# Altium PCB COEXPIX PCB.PcbDoc (part 1 of 2) (continued)
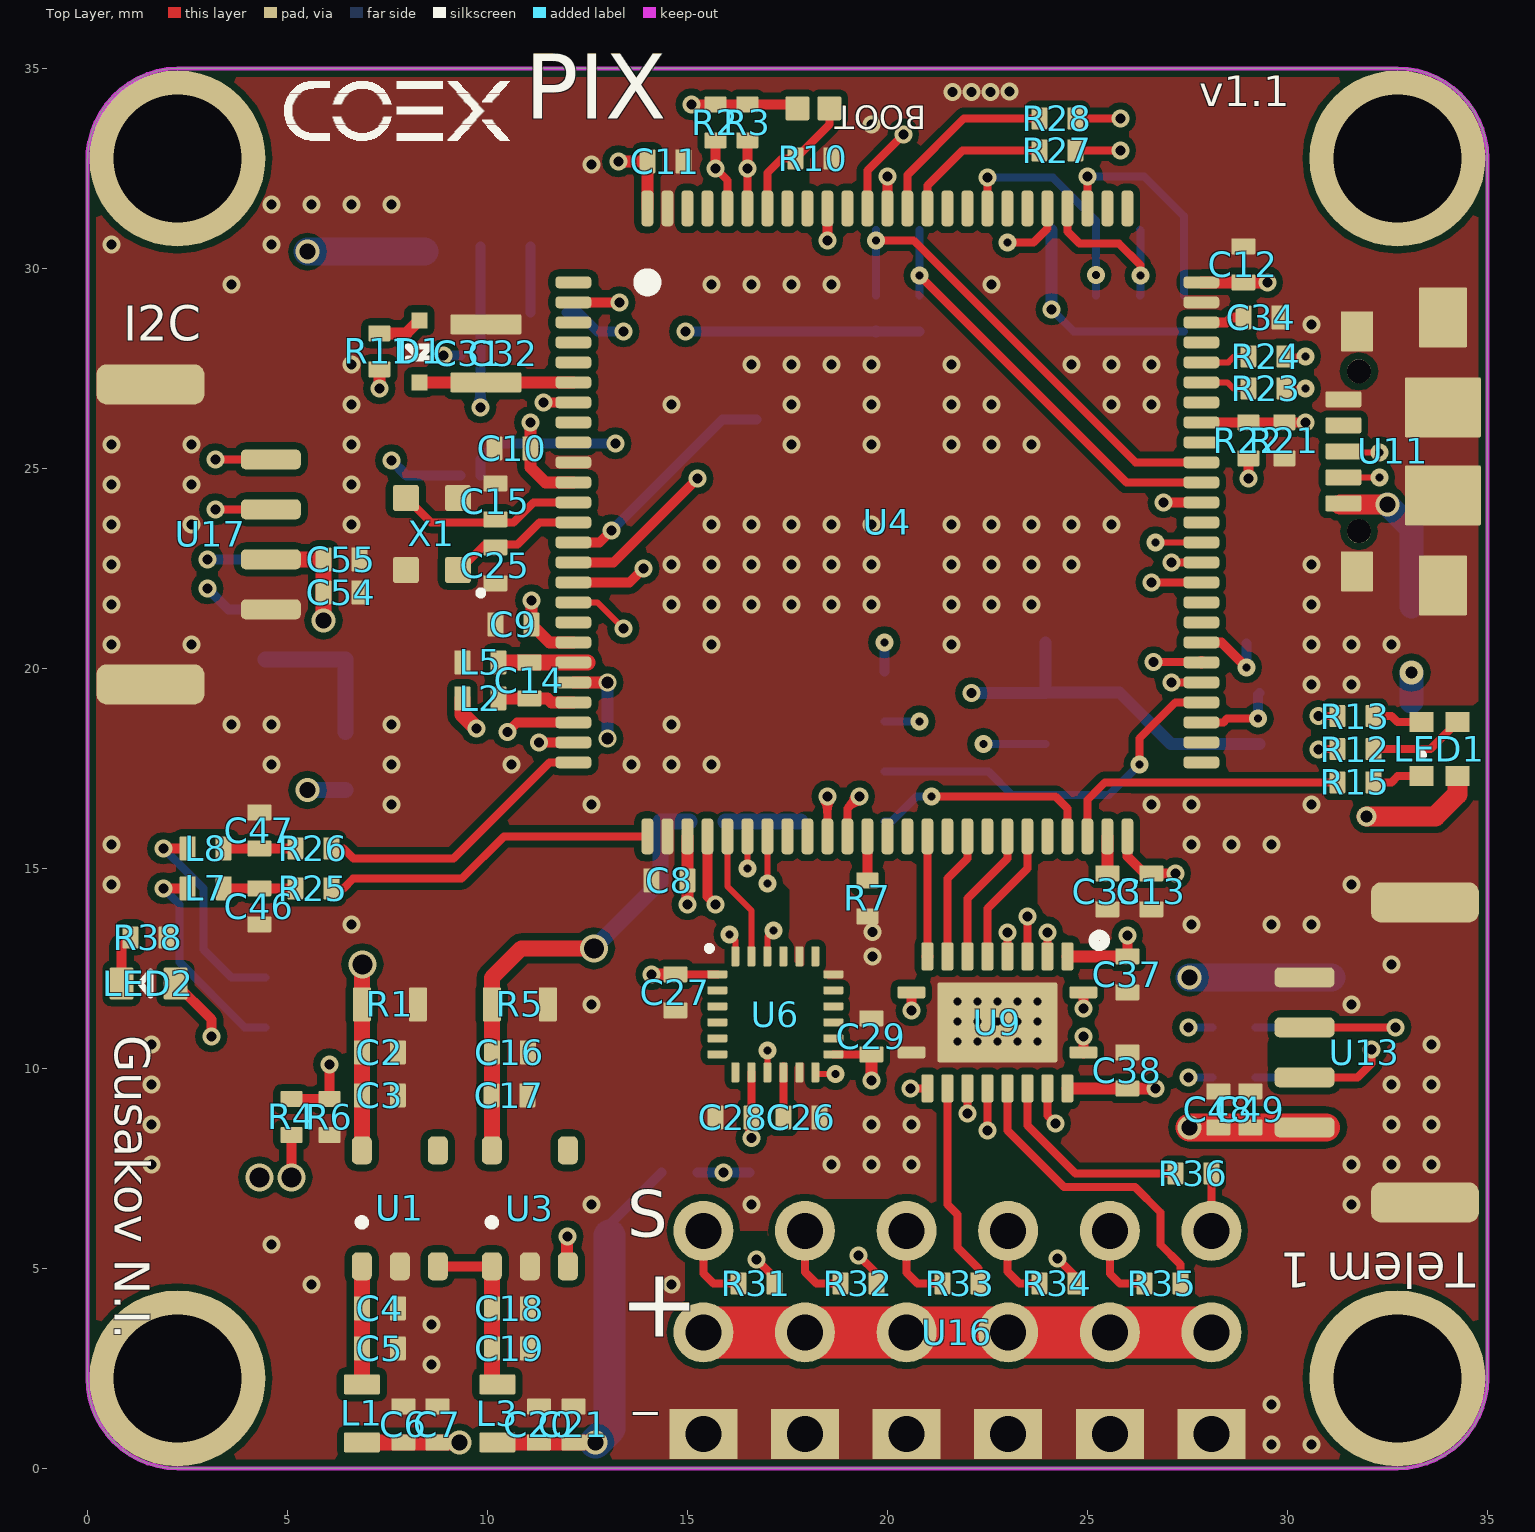
[diagram p0: Top Layer view]
## Design rules (kind name [scope] priority, off if disabled: settings)
Clearance [All] p1: gap=0.17 ignorepadtopadclearanceinfootprint=FALSE except(0: Arc-Hole Track-Hole SMDPad-Hole THPad-Hole Via-Hole Fill-Hole Poly-Hole Region-Hole Text-Hole; 0.09: Arc-Arc Arc-Track Arc-SMDPad Arc-THPad Track-Track Track-SMDPad Track-THPad SMDPad-SMDPad SMDPad-THPad THPad-THPad; 0.13: Arc-Via Track-Via SMDPad-Via THPad-Via Via-Via; 0.2: Arc-Text Track-Text SMDPad-Text THPad-Text Via-Text Fill-Text Poly-Text Region-Text Text-Text)
DiffPairsRouting [All] p1: maxlimit=0.254 minlimit=0.1 mostfreqgap=0.1 toplayer_minwidth=0.09 toplayer_maxwidth=0.15 toplayer_prefwidth=0.1 midlayer1_minwidth=0.09 midlayer1_maxwidth=0.15 midlayer1_prefwidth=0.1 midlayer2_minwidth=0.09 midlayer2_maxwidth=0.15 midlayer2_prefwidth=0.1 bottomlayer_minwidth=0.09 bottomlayer_maxwidth=0.15 bottomlayer_prefwidth=0.1 maxuncoupledlength=12.7
PlaneClearance [All] p1: clearance=0.17
PlaneConnect [All] p1: planeconnectstyle=Direct reliefexpansion=0.508 reliefentries=4 reliefconductorwidth=0.254 reliefairgap=0.254
PolygonConnect [All] p1: connectstyle=Direct reliefconductorwidth=0.254 reliefentries=4 polygonreliefangle="90 Angle" airgapwidth=0.254
RoutingVias [All] p1: holewidth=0.711 width=1.27 viastyle="Through Hole" minholewidth=0.711 minwidth=1.27 maxholewidth=0.711 maxwidth=1.27
SolderMaskExpansion [All] p1: expansion=0.08
UnRoutedNet [All] p1: checkbadconnections=TRUE
Width [All] p1: maxlimit=2 minlimit=0.09 preferedwidth=0.2 minimp=50.000000 maximp=50.000000 favimp=50.000000
26 further rules are at their usual default settings.

## Classes and differential pairs
component class "COEXPIX connectors schematics": C39 C40 C41 C42 C43 C44 C45 C46 C47 C48 C49 C50 C51 C52 C53 C54 C55 D2 D3 L6 L7 L8 L9 R21 R22 R23 R24 R25 R26 R27 R28 R29 R30 R31 R32 R33 R34 R35 R36 R37 U11 U12 U13 U14 U15 U16 U17 U18
component class "COEXPIX schematics": C1 C2 C3 C4 C5 C6 C7 C8 C9 C10 C11 C12 C13 C14 C15 C16 C17 C18 C19 C20 C21 C22 C23 C24 C25 C26 C27 C28 C29 C30 C31 C32 C33 C34 C35 C36 C37 C38 C56 C? D1 L1 L2 L3 L4 L5 LED1 LED2 R1 R2 R3 R4 R5 R6 R7 R8 R9 R10 R11 R12 R13 R14 R15 R16 R17 R18 R19 R20 R38 U1 U2 U3 U4 U5 U6 U7 U8 U9 U10 U? X1

## Components (designator, comment, footprint, x,y, rotation, side; value= is the part's Value field where it differs from the comment)
C1 "100nf" "Capasitor 0402"#1 22.7,19.83 r270 bottom
C2 "10uf" "Capasitor 0402"#2 7.312,10.4 r0 top
C3 "100nf" "Capasitor 0402"#2 7.31,9.324 r0 top
C4 "100nf" "Capasitor 0402"#2 7.312,4 r0 top
C5 "10uf" "Capasitor 0402"#2 7.31,3 r0 top
C6 "100nf" "Capasitor 0402"#2 7.9,1.1 r90 top
C7 "10uf" "Capasitor 0402"#2 8.75,1.1 r90 top
C8 "100nf" "Capasitor 0402"#2 14.55,14.7 r0 top
C9 "100nf" "Capasitor 0402"#2 10.65,21.1 r0 top
C10 "100nf" "Capasitor 0402"#2 10.625,25.5 r0 top
C11 "100nf" "Capasitor 0402"#2 14.45,32.675 r180 top
C12 "100nf" "Capasitor 0402"#2 28.9,30.1 r270 top
C13 "100nf" "Capasitor 0402"#2 26.6,14.425 r90 top
C14 "100nf" "Capasitor 0402"#2 11.05,19.7 r90 top
C15 "12pf" "Capasitor 0402"#2 10.2,24.175 r270 top
C16 "10uf" "Capasitor 0402"#2 10.562,10.4 r0 top
C17 "100nf" "Capasitor 0402"#2 10.55,9.324 r0 top
C18 "100nf" "Capasitor 0402"#2 10.562,4 r0 top
C19 "10uf" "Capasitor 0402"#2 10.562,3 r0 top
C20 "100nf" "Capasitor 0402"#2 11.29,1.1 r90 top
C21 "10uf" "Capasitor 0402"#2 12.153,1.1 r90 top
C22 "100nf" "Capasitor 0402"#1 13.875,15.225 r0 bottom
C23 "10uf" "Capasitor 0402"#1 13.875,16.175 r0 bottom
C24 "100nf" "Capasitor 0402"#1 16.75,16.625 r270 bottom
C25 "12pf" "Capasitor 0402"#2 10.2,22.575 r270 top
C26 "100nf" "Capasitor 0402"#2 17.85,8.775 r180 top
C27 "100nf" "Capasitor 0402"#2 14.7,11.9 r90 top
C28 "100nf" "Capasitor 0402"#2 16.152,8.775 r0 top
C29 "10nf" "Capasitor 0402"#2 19.6,10.8 r270 top
C30 "100nf" "Capasitor 0402"#1 15.585,27.975 r90 bottom
C31 "47uf" "Capasitor 0603" 9.525,27.875 r90 top
C32 "47uf" "Capasitor 0603" 10.4,27.875 r90 top
C33 "10uf" "Capasitor 0402"#2 25.5,14.425 r270 top
C34 "10uf" "Capasitor 0402"#2 29.35,28.775 r0 top
C35 "100nf" "Capasitor 0402"#1 8.425,25.275 r270 bottom
C36 "100nf" "Capasitor 0402"#1 23.659,29.5 r0 bottom
C37 "100nf" "Capasitor 0402"#2 26,12.35 r270 top
C38 "100nf" "Capasitor 0402"#2 26,9.95 r90 top
C39 "10uf" "Capasitor 0402"#1 33.55,22.8 r0 bottom
C40 "47uf" "Capasitor 0603" 13.775,10.199 r180 bottom
C41 "47uf" "Capasitor 0603" 13.775,9.324 r180 bottom
C42 "47uf" "Capasitor 0603" 7.163,8.325 r270 bottom
C43 "47uf" "Capasitor 0603" 6.263,8.325 r270 bottom
C44 "47uf" "Capasitor 0603" 7.163,6.1 r90 bottom
C45 "47uf" "Capasitor 0603" 6.263,6.1 r90 bottom
C46 "100nf" "Capasitor 0402"#2 4.3,14.05 r270 top
C47 "100nf" "Capasitor 0402"#2 4.3,15.95 r90 top
C48 "10uf" "Capasitor 0402"#2 28.275,8.975 r270 top
C49 "100nf" "Capasitor 0402"#2 29.075,8.976 r270 top
C50 "10uf" "Capasitor 0402"#1 6.9,19.4 r180 bottom
C51 "100nf" "Capasitor 0402"#1 6.9,20.225 r180 bottom
C52 "10uf" "Capasitor 0402"#1 28.2,12.725 r270 bottom
C53 "100nf" "Capasitor 0402"#1 29.05,12.725 r270 bottom
C54 "10uf" "Capasitor 0402"#2 6.35,21.9 r0 top
C55 "100nf" "Capasitor 0402"#2 6.35,22.725 r0 top
C56 "100nf" "Capasitor 0402"#1 13.456,18.95 r180 bottom
D1 "200ma" SOD-523F 8.3,27.925 r180 top
D2 "2A" SOD-323F 33.1,20.475 r0 bottom
D3 "2A" SOD-323F 13.05,7.025 r0 bottom
L1 "BLM18HE152SN1D" "Ferrite bead 0603" 6.862,1.375 r270 top value="1.5 kOhm @100MHz"
L2 "BLM15HD182SN1D" "Ferrite bead 0402"#1 9.825,19.25 r180 top value="1.8 kOhm @100MHz"
L3 "BLM18HE152SN1D" "Ferrite bead 0603" 10.25,1.375 r90 top value="1.5 kOhm @100MHz"
L4 "BLM15HD182SN1D" "Ferrite bead 0402"#2 15.5,16.175 r180 bottom value="1.8 kOhm @100MHz"
L5 "BLM15HD182SN1D" "Ferrite bead 0402"#1 9.825,20.15 r180 top value="1.8 kOhm @100MHz"
L6 "SLW4030S100MST" "Inductor 4030" 10,8.699 r90 bottom value=10uH
L7 "BLM15HD182SN1D" "Ferrite bead 0402"#1 2.958,14.5 r180 top value="1.8 kOhm @100MHz"
L8 "BLM15HD182SN1D" "Ferrite bead 0402"#1 2.958,15.5 r180 top value="1.8 kOhm @100MHz"
L9 "BLM15HD182SN1D" "Ferrite bead 0402"#2 6.45,17.683 r90 bottom value="1.8 kOhm @100MHz"
LED1 "19-237A/BHR6GHC-A01/2T" "Everlight RGB LED" 33.8,17.983 r270 top
LED2 "19-217/BHC-ZL1M2RY/3T" "Led 0603" 1.528,12.123 r0 top
R1 "220" "Resistor 0603" 7.563,11.6 r0 top
R2 "2.2k" "Resistor 0402"#1 15.702,33.65 r90 top
R3 "2.2k" "Resistor 0402"#1 16.5,33.65 r90 top
R4 "220" "Resistor 0402"#1 5.1,8.785 r90 top
R5 "220" "Resistor 0603" 10.812,11.6 r0 top
R6 "220" "Resistor 0402"#1 6.05,8.785 r270 top
R7 "10k" "Resistor 0402"#1 19.5,14.25 r90 top
R8 "10k" "Resistor 0402"#2 14.8,7.4 r0 bottom
R9 "10k" "Resistor 0402"#2 17,7.4 r0 bottom
R10 "10k" "Resistor 0402"#1 18.15,32.75 r0 top
R11 "1k" "Resistor 0402"#1 7.3,27.925 r270 top
R12 "100" "Resistor 0402"#1 31.7,17.983 r180 top
R13 "100" "Resistor 0402"#1 31.7,18.808 r180 top
R14 "1.8k" "Resistor 0402"#2 9.375,28.9 r0 bottom
R15 "100" "Resistor 0402"#1 31.7,17.15 r180 top
R16 "100k" "Resistor 0402"#2 20.809,28.875 r90 bottom
R17 "100k" "Resistor 0402"#2 19.71,28.875 r90 bottom
R18 "100k" "Resistor 0402"#2 27.41,28.875 r90 bottom
R19 "100k" "Resistor 0402"#2 26.31,28.875 r90 bottom
R20 "100k" "Resistor 0402"#2 25.21,28.875 r90 bottom
R21 "470" "Resistor 0402"#1 29.925,25.7 r270 top
R22 "10k" "Resistor 0402"#1 29.025,25.7 r90 top
R23 "22" "Resistor 0402"#1 29.475,27 r180 top
R24 "22" "Resistor 0402"#1 29.475,27.8 r180 top
R25 "1k" "Resistor 0402"#1 5.65,14.5 r180 top
R26 "1k" "Resistor 0402"#1 5.65,15.5 r180 top
R27 "220" "Resistor 0402"#1 24.25,32.95 r0 top
R28 "220" "Resistor 0402"#1 24.25,33.751 r0 top
R29 "220" "Resistor 0402"#2 28.575,11.026 r180 bottom
R30 "220" "Resistor 0402"#2 28.575,9.776 r180 bottom
R31 "220" "Resistor 0402"#1 16.725,4.625 r180 top
R32 "220" "Resistor 0402"#1 19.275,4.625 r180 top
R33 "220" "Resistor 0402"#1 21.825,4.625 r180 top
R34 "220" "Resistor 0402"#1 24.25,4.625 r180 top
R35 "220" "Resistor 0402"#1 26.875,4.625 r180 top
R36 "220" "Resistor 0402"#1 27.65,7.375 r0 top
R37 "10k" "Resistor 0402"#2 11.525,28.9 r180 bottom
R38 "220" "Resistor 0402"#1 1.528,13.275 r180 top
U1 "LP5907" SOT23-5 7.812,6.5 r270 top locked value=3.3v
U2 "FM25V02A-GTR" SOIC-8 26.625,18.745 r180 bottom locked
U3 "LP5907" SOT23-5 11.062,6.5 r270 top locked value=3.3v
U4 "STM32F427VIT6" LQFP100 20,23.65 r0 top locked
U5 "MS5607-02BA" MS5611 18.875,18.05 r0 bottom
U6 "MPU-9250" mpu9250 17.2,11.35 r0 top locked
U7 "SGM809-SXN3L/TR" "SOT23-3 LP" 17.675,27.325 r270 bottom
U8 "SN74LVC2G66DCUR" "VSSOP8 0.5mm" 10.075,26.325 r270 bottom
U9 "TXS0108ERGYR" TXS0108ERGYR 22.75,11.15 r270 top
U10 "Micro SD SLOT" "Micro SD slot" 24.079,31.975 r180 bottom locked
U11 "Micro USB female connector" "Micro USB" 33.725,25.425 r270 top
U12 "SM06B-GHS-TB(LF)(SN)" "JST-GH 6 PIN"#1 2.609,11.665 r270 bottom locked
U13 "SM04B-GHS-TB(LF)(SN)" "JST-GH 4 pin" 32.23,10.4 r270 top locked
U14 "SM06B-GHS-TB(LF)(SN)" "JST-GH 6 PIN"#2 2.609,23.35 r270 bottom locked
U15 "SM04B-GHS-TB(LF)(SN)" "JST-GH 4 pin" 32.216,10.4 r90 bottom locked
U16 "2.54 pins" "3x6 PX4 servo array" 21.754,3.401 r0 top locked
U17 "SM04B-GHS-TB(LF)(SN)" "JST-GH 4 pin" 2.786,23.35 r90 top
U18 "SM04B-GHS-TB(LF)(SN)" "JST-GH 4 pin" 10.435,32.216 r180 bottom locked
X1 "7E24000E12UCG" SMD-2520_4P 8.612,23.359 r180 top value="24 MHZ"

## Footprints (in the part's own frame and the unit in brackets; to place one, negate y for a bottom-side part, rotate by r counter-clockwise, add the part's x,y. Pads: shape width x height; smd on the part's side, far side on the other; paste and mask are expansions set on the pad)
"3x6 PX4 servo array" [mm]
  round 1.5 hole 0.9: 1(-6.354,2.539) 2(-3.814,2.539) 3(-1.274,2.539) 4(1.266,2.539) 5(3.806,2.539) 6(6.346,2.539) 7(-6.354,-0.001) 8(-3.814,-0.001) 9(-1.274,-0.001) 10(1.266,-0.001) 11(3.806,-0.001) 12(6.346,-0.001)
  rect 1.7x1.25 hole 0.9: 13(-6.354,-2.541) 14(-3.814,-2.541) 15(-1.274,-2.541) 16(1.266,-2.541) 17(3.806,-2.541) 18(6.346,-2.541)
  body extent -7.62,-12.45 7.62,2.85, height 7.81
"Capasitor 0402"#1 [mm]
  rrect15% 0.4x0.6 smd mask+0.102: 1(-0.45,0)
  rrect15% 0.4x0.6 smd mask+0.08: 2(0.45,0)
  body extent -0.5,-0.25 0.5,0.25, height 0.45
"Capasitor 0402"#2 [mm]
  rrect15% 0.4x0.6 smd mask+0.08: 1(-0.45,0) 2(0.45,0)
  body extent -0.5,-0.25 0.5,0.25, height 0.45
"Capasitor 0603" [mm]
  rrect15% 0.5x0.9 smd: 1(-0.725,0) 2(0.725,0)
  body extent -0.8,-0.4 0.8,0.4, height 0.8
"Everlight RGB LED" [mm]
  rect 0.5x0.6 smd: 1(0.675,-0.45) 2(-0.675,-0.45) 3(0.675,0.45) 4(-0.675,0.45)
  silkscreen extent 0.11,-0.49 0.19,-0.41, body extent -0.8,-0.75 0.8,0.75, height 0.34
"Ferrite bead 0402"#1 [mm]
  rrect15% 0.4x0.6 smd mask+0.08: 1(-0.45,0) 2(0.45,0)
  body extent -0.5,-0.25 0.5,0.25, height 0.5
"Ferrite bead 0402"#2 [mm]
  rrect15% 0.4x0.6 smd mask+0.102: 1(-0.45,0)
  rrect15% 0.4x0.6 smd mask+0.08: 2(0.45,0)
  body extent -0.5,-0.25 0.5,0.25, height 0.5
"Ferrite bead 0603" [mm]
  rrect15% 0.5x0.9 smd: 1(-0.725,0) 2(0.725,0)
  body extent -0.8,-0.4 0.8,0.4, height 0.8
"Inductor 4030" [mm]
  rect 1.1x3.3 smd: 1(-1.499,0) 2(1.5,0)
  body extent -2,-2 2,2, height 3
"JST-GH 4 pin" [mm]
  rrect50% 0.5x1.5 smd: 1(1.874,-1.8) 2(0.625,-1.8) 3(-0.625,-1.8) 4(-1.875,-1.8)
  rrect50% 1x2.7 smd: 5(-3.75,1.209) 5(3.75,1.209)
  body extent -4.13,-2.35 4.12,2.5, height 4.3
"JST-GH 6 PIN"#1 [mm]
  rrect50% 0.5x1.5 smd: 1(3.125,-1.975) 2(1.875,-1.975) 3(0.625,-1.975) 4(-0.625,-1.975) 5(-1.875,-1.975) 6(-3.125,-1.975)
  rrect50% 1x2.7 smd: 7(-5,1.034) 7(5,1.034)
  body extent -5.37,-2.5 5.38,2.35, height 4.25
"JST-GH 6 PIN"#2 [mm]
  rrect50% 0.5x1.5 smd: 1(3.125,-1.975) 2(1.875,-1.975) 3(0.625,-1.975) 4(-0.625,-1.975) 5(-1.875,-1.975)
  rect 0.5x1.5 smd: 6(-3.125,-1.975)
  rrect50% 1x2.7 smd: 7(-5,1.034) 7(5,1.034)
  body extent -5.37,-2.5 5.38,2.35, height 4.25
"Led 0603" [mm]
  rrect15% 0.6x0.8 smd: 1(-0.675,0) 2(0.675,0)
  silkscreen extent -0.2,-0.3 0.05,0.3, body extent -0.8,-0.4 0.8,0.4, height 0.35
LQFP100 [mm]
  rrect60% 0.9x0.3 smd: 1(-7.85,6) 2(-7.85,5.5) 3(-7.85,5) 4(-7.85,4.5) 5(-7.85,4) 6(-7.85,3.5) 7(-7.85,3) 8(-7.85,2.5) 9(-7.85,2) 10(-7.85,1.5) 11(-7.85,1) 12(-7.85,0.5) 13(-7.85,0) 14(-7.85,-0.5) 15(-7.85,-1) 16(-7.85,-1.5) 17(-7.85,-2) 18(-7.85,-2.5) 19(-7.85,-3) 20(-7.85,-3.5) 21(-7.85,-4) 22(-7.85,-4.5) 23(-7.85,-5) 24(-7.85,-5.5) 25(-7.85,-6) 51(7.85,-6) 52(7.85,-5.5) 53(7.85,-5) 54(7.85,-4.5) 55(7.85,-4) 56(7.85,-3.5) 57(7.85,-3) 58(7.85,-2.5) 59(7.85,-2) 60(7.85,-1.5) 61(7.85,-1) 62(7.85,-0.5) 63(7.85,0) 64(7.85,0.5) 65(7.85,1) 66(7.85,1.5) 67(7.85,2) 68(7.85,2.5) 69(7.85,3) 70(7.85,3.5) 71(7.85,4) 72(7.85,4.5) 73(7.85,5) 74(7.85,5.5) 75(7.85,6)
  rrect60% 0.3x0.9 smd: 26(-6,-7.85) 27(-5.5,-7.85) 28(-5,-7.85) 29(-4.5,-7.85) 30(-4,-7.85) 31(-3.5,-7.85) 32(-3,-7.85) 33(-2.5,-7.85) 34(-2,-7.85) 35(-1.5,-7.85) 36(-1,-7.85) 37(-0.5,-7.85) 38(0,-7.85) 39(0.5,-7.85) 40(1,-7.85) 41(1.5,-7.85) 42(2,-7.85) 43(2.5,-7.85) 44(3,-7.85) 45(3.5,-7.85) 46(4,-7.85) 47(4.5,-7.85) 48(5,-7.85) 49(5.5,-7.85) 50(6,-7.85) 76(6,7.85) 77(5.5,7.85) 78(5,7.85) 79(4.5,7.85) 80(4,7.85) 81(3.5,7.85) 82(3,7.85) 83(2.5,7.85) 84(2,7.85) 85(1.5,7.85) 86(1,7.85) 87(0.5,7.85) 88(0,7.85) 89(-0.5,7.85) 90(-1,7.85) 91(-1.5,7.85) 92(-2,7.85) 93(-2.5,7.85) 94(-3,7.85) 95(-3.5,7.85) 96(-4,7.85) 97(-4.5,7.85) 98(-5,7.85) 99(-5.5,7.85) 100(-6,7.85)
  silkscreen extent -6.1,5.9 -5.9,6.1, body extent -8.07,-8.07 8.07,8.07, height 1.62
"Micro SD slot" [mm]
  rrect50% 0.5x1.2 smd: 1(-3.335,-1.242) 2(-2.235,-1.242) 3(-1.135,-1.242) 4(-0.034,-1.242) 5(1.066,-1.242) 6(2.165,-1.242) 7(3.266,-1.243) 8(4.365,-1.242)
  rrect50% 1x3.3 smd: 9(5.425,1.15)
  rrect50% 1.45x1 smd: 10(-4.85,0.25)
  rrect50% 1.2x0.6 smd: 11(-4.975,2.5)
  rrect50% 1x0.4 smd: 12(-5.075,1.4)
  body extent -5.63,-2.65 5.91,13.5, height 2.36
"Micro USB" [mm]
  rrect20% 0.4x0.9 smd: 1(1.3,-2.325) 2(0.65,-2.325) 3(0,-2.325) 4(-0.651,-2.325) 5(-1.301,-2.325)
  rrect5% 1.5x1.2 smd: 5(-3.35,0.164) 5(3.35,0.164)
  rrect5% 1x0.8 smd: 5(-3.002,-1.984) 5(3,-1.987)
  rrect5% 1.5x1.9 smd: 5(-1.099,0.164) 5(1.1,0.164)
  round 0.6 hole 0.6: 6(-2.001,-1.937) 6(1.997,-1.936)
  body extent -3.99,-2.69 3.99,2.74, height 2.73
mpu9250 [mm]
  rrect35% 0.5x0.2 smd mask+0.07: 1(-1.45,1) 2(-1.45,0.6) 3(-1.45,0.2) 4(-1.45,-0.2) 5(-1.45,-0.6) 6(-1.45,-1) 13(1.45,-1) 14(1.45,-0.6) 15(1.45,-0.2) 16(1.45,0.2) 17(1.45,0.6) 18(1.45,1)
  rrect35% 0.2x0.5 smd mask+0.07: 7(-1,-1.45) 8(-0.6,-1.45) 9(-0.2,-1.45) 10(0.2,-1.45) 11(0.6,-1.45) 12(1,-1.45) 19(1,1.45) 20(0.6,1.45) 21(0.2,1.45) 22(-0.2,1.45) 23(-0.6,1.45) 24(-1,1.45)
  silkscreen extent -1.69,1.61 -1.61,1.69, body extent -1.51,-1.51 1.51,1.51, height 1.05
MS5611 [mm] "ms5611/5607"
  rrect10% 0.95x0.55 smd: 1(-1.05,1.875) 2(-1.05,0.625) 3(-1.05,-0.625) 4(-1.05,-1.875) 5(1.05,-1.875) 6(1.05,-0.625) 7(1.05,0.625) 8(1.05,1.875)
  silkscreen extent -0.32,1.78 -0.13,1.97, body extent -1.5,-2.5 1.5,2.5, height 1.03
"Resistor 0402"#1 [mm]
  rrect15% 0.4x0.55 smd mask+0.08: 1(-0.45,0) 2(0.45,0)
  body extent -0.5,-0.25 0.5,0.25, height 0.35
"Resistor 0402"#2 [mm]
  rrect15% 0.4x0.55 smd mask+0.102: 1(-0.45,0)
  rrect15% 0.4x0.55 smd mask+0.08: 2(0.45,0)
  body extent -0.5,-0.25 0.5,0.25, height 0.35
"Resistor 0603" [mm]
  rrect15% 0.45x0.85 smd: 1(-0.7,0) 2(0.7,0)
  body extent -0.8,-0.4 0.8,0.4, height 0.45
SMD-2520_4P [mm]
  rrect20% 0.65x0.65 smd: 1(-0.65,0.9) 2(-0.65,-0.9) 3(0.65,-0.9) 4(0.65,0.9)
  silkscreen extent -1.26,1.44 -1.19,1.51, body extent -1,-1.25 1,1.25, height 0.69
SOD-323F [mm]
  rect 0.45x0.6 smd: 1(0,1.2) 2(0,-1.2)
  silkscreen extent -0.32,-0.17 0.33,0.18, body extent -0.68,-1.35 0.67,1.35, height 0.79
SOD-523F [mm]
  rrect5% 0.4x0.4 smd: 1(0,0.775) 2(0,-0.775)
  silkscreen extent -0.3,-0.12 0.3,0.18, body extent -0.45,-0.83 0.45,0.87, height 0.7
SOIC-8 [mm]
  rrect20% 1.1x0.6 smd: 1(-2.675,1.905) 2(-2.675,0.635) 3(-2.675,-0.635) 4(-2.675,-1.905) 5(2.675,-1.905) 6(2.675,-0.635) 7(2.675,0.635) 8(2.675,1.905)
  silkscreen extent -1.8,1.75 -1.5,2.06, body extent -2.89,-2.45 2.89,2.45, height 1.45
"SOT23-3 LP" [mm]
  rect 0.8x0.6 smd: 1(1.1,-0.955) 2(1.1,0.95) 3(-1.1,0.002)
  silkscreen extent 0.1,-1.08 0.35,-0.83, body extent -1.25,-1.5 1.25,1.5, height 1.09
SOT23-5 [mm]
  rrect50% 0.7x0.5 smd mask+0.06: 1(1.45,-0.95) 2(1.45,0) 3(1.45,0.95) 4(-1.45,0.95) 5(-1.45,-0.95)
  silkscreen extent 0.27,-1.03 0.43,-0.87, body extent -1.6,-1.5 1.6,1.5, height 0.91
TXS0108ERGYR [mm]
  rrect30% 0.3x0.7 smd: 1(-0.75,2.15) 10(-0.75,-2.15) 11(0.75,-2.15) 20(0.75,2.15)
  rrect30% 0.7x0.3 smd: 2(-1.65,1.75) 3(-1.65,1.25) 4(-1.65,0.75) 5(-1.65,0.25) 6(-1.65,-0.25) 7(-1.65,-0.75) 8(-1.65,-1.25) 9(-1.65,-1.75) 12(1.65,-1.75) 13(1.65,-1.25) 14(1.65,-0.75) 15(1.65,-0.25) 16(1.65,0.25) 17(1.65,0.75) 18(1.65,1.25) 19(1.65,1.75)
  rrect5% 2x3 smd: 21(0,0)
  silkscreen extent -2.19,2.41 -1.91,2.69, body extent -1.81,-2.31 1.81,2.31, height 1.05
"VSSOP8 0.5mm" [mm] "0.5mm pitch"
  rect 0.6x0.25 smd: 1(-1.5,0.75) 2(-1.5,0.25) 3(-1.5,-0.25) 4(-1.5,-0.75) 5(1.5,-0.75) 6(1.5,-0.25) 7(1.5,0.25) 8(1.5,0.75)
  silkscreen extent -0.85,0.7 -0.75,0.8, body extent -1.6,-1.05 1.6,1.05, height 0.9

## Part data
C1 C3 C4 C6 C8 C9 C10 C11 C12 C13 C14 C17 C18 C20 C22 C24 C26 C27 C28 C30 C35 C36 C37 C38 C46 C47 C49 C51 C53 C55 C56: library part "Capacitor MLCC", "Multilayer Ceramic Capacitors MLCC - SMD/SMT 100nF 16V 0402", Component package=0402, Manufacturer=YAGEO, Part number=CC0402KRX7R7BB104, HelpURL=https://lcsc.com/product-detail/Multilayer-Ceramic-Capacitors-MLCC-SMD-SMT_100nF-104-10-16V_C60474.html
C2 C5 C16 C19 C33 C34 C39 C48 C50 C52 C54: library part "Capacitor MLCC", "Multilayer Ceramic Capacitors MLCC - SMD/SMT 10uF 6.3V 0402", Component package=0402, Manufacturer="Taiyo Yuden", Part number=JMK105CBJ106MV-F, HelpURL=https://lcsc.com/product-detail/Multilayer-Ceramic-Capacitors-MLCC-SMD-SMT_TAIYO-YUDEN_JMK105CBJ106MV-F_10uF-106-20-6-3V_C87148.html
C7 C21 C23: library part "Capacitor MLCC", "X5R 6.3v 10uf", Component package=0402, Manufacturer="Taiyo Yuden", Part number=JMK105CBJ106MV-F, HelpURL=https://lcsc.com/product-detail/Multilayer-Ceramic-Capacitors-MLCC-SMD-SMT_TAIYO-YUDEN_JMK105CBJ106MV-F_10uF-106-20-6-3V_C87148.html
C15 C25: library part "Capacitor MLCC", "Multilayer Ceramic Capacitors MLCC - SMD/SMT 12pF 50V 0402", Component package=0402, Manufacturer=YAGEO, Part number=CC0402JRNPO9BN120, HelpURL=https://lcsc.com/product-detail/Multilayer-Ceramic-Capacitors-MLCC-SMD-SMT_12pF-120-5-50V_C106201.html
C29: library part "Capacitor MLCC", "Multilayer Ceramic Capacitors MLCC - SMD/SMT 10nF 50V 0402", Component package=0402, Manufacturer=YAGEO, Part number=CC0402KRX7R9BB103, HelpURL=https://lcsc.com/product-detail/Multilayer-Ceramic-Capacitors-MLCC-SMD-SMT_10nF-103-10-50V_C60133.html
C31 C32 C40 C41 C42 C43 C44 C45: library part "Capacitor MLCC", "Multilayer Ceramic Capacitors MLCC - SMD/SMT 47uF 6.3V 0603", Component package=0603, Manufacturer=Murata, Part number=GRM188R60J476ME15D, HelpURL=https://lcsc.com/product-detail/Multilayer-Ceramic-Capacitors-MLCC-SMD-SMT_MuRata_GRM188R60J476ME15D_47uF-476-20-6-3V_C140782.html
D1: library part "Schottky barrier diode", "Schottky Barrier Diodes (SBD) SOD-523", Component package=SOD-523, Manufacturer=Shikues, Part number=RB521S-30, HelpURL=https://lcsc.com/product-detail/Schottky-Barrier-Diodes-SBD_RB521S-30_C122862.html
D2 D3: library part "Schottky barrier diode", "Schottky Barrier Diodes (SBD) SOD-323F", Component package=SOD-323F, Manufacturer="Suzhou Good-Ark Elec", Part number=SGP0230SD, HelpURL=https://lcsc.com/product-detail/Schottky-Barrier-Diodes-SBD_SGP0230SD_C110406.html
L1 L3: library part "FB / Inductor", "Beads 0603", Component package=0603, Manufacturer=Murata, HelpURL=https://lcsc.com/product-detail/Ferrite-Beads-And-Chips_muRata_BLM18HE152SN1D_1-5KR-25-at100MHz_C82155.html, Part number=BLM18HE152SN1D
L2 L4 L5 L7 L8 L9: library part "FB / Inductor", "Beads 0402", Component package=0402, Manufacturer="Murata Electronics", HelpURL=https://lcsc.com/product-detail/Ferrite-Beads-And-Chips_MuRata_BLM15HD182SN1D_1-8KR-at100MHz_C76888.html, Part number=BLM15HD182SN1D
L6: library part "FB / Inductor", "Power Inductors 10uH ±20% 1.5A SMD,4x4x3mm", Component package=SMD,4.0x4.0x3.0mm, Manufacturer="Sunltech Tech", HelpURL=https://lcsc.com/product-detail/Power-Inductors_Sunltech-Tech-SLW4030S100MST_C182187.html, Part number=SLW4030S100MST
LED1: library part "Everlight 19-237A", "RGB LED", Manufacturer=Everlight, HelpURL=https://lcsc.com/product-detail/Light-Emitting-Diodes-LED_19-237A-BHR6GHC-A01-2T-RGB_C114830.html, Part number=19-237A/BHR6GHC-A01/2T
LED2: library part LED, "Light Emitting Diodes (LED) Blue 465~475nm 11.5~28.5mcd@5mA Top View 0603", Component package=0603, Manufacturer="Everlight Elec", HelpURL=https://lcsc.com/product-detail/Light-Emitting-Diodes-LED_0603-Blue-light_C72041.html, Part number=19-217/BHC-ZL1M2RY/3T
R1 R5: library part Resistor, "Chip Resistor - Surface Mount 220Ohms ±1% 1/10W 0603", Component package=0603, Manufacturer="Uniroyal Elec", Part number=0603WAF2200T5E, HelpURL=https://lcsc.com/product-detail/Chip-Resistor-Surface-Mount_Uniroyal-Elec-0603WAF2200T5E_C22962.html
R2 R3: library part Resistor, "Chip Resistor - Surface Mount 2.2KOhms ±1% 1/16W 0402", Component package=0402, Manufacturer=YAGEO, Part number=RC0402FR-072K2L, HelpURL=https://lcsc.com/product-detail/Chip-Resistor-Surface-Mount_2-2KR-2201-1_C114762.html
R4 R6 R38: library part Resistor, "Chip Resistor - Surface Mount 220Ohms ±1% 1/16W 0402", Component package=0402, Manufacturer="Uniroyal Elec", Part number=0402WGF2200TCE, HelpURL=https://lcsc.com/product-detail/Chip-Resistor-Surface-Mount_Uniroyal-Elec-0402WGF2200TCE_C25091.html
R7 R8 R9 R10 R22 R37: library part Resistor, "Chip Resistor - Surface Mount 10KOhms ±1% 1/16W 0402", Component package=0402, Manufacturer=YAGEO, Part number=RC0402FR-0710KL, HelpURL=https://lcsc.com/product-detail/Chip-Resistor-Surface-Mount_10KR-1002-1_C60490.html
R11 R25 R26: library part Resistor, "Chip Resistor - Surface Mount 1KOhms ±1% 1/16W 0402", Component package=0402, Manufacturer=YAGEO, Part number=RC0402FR-071KL, HelpURL=https://lcsc.com/product-detail/Chip-Resistor-Surface-Mount_1KR-1001-1_C106235.html
R12 R13 R15: library part Resistor, "Chip Resistor - Surface Mount 100Ohms ±1% 1/16W 0402", Component package=0402, Manufacturer=YAGEO, Part number=RC0402FR-07100RL, HelpURL=https://lcsc.com/product-detail/Chip-Resistor-Surface-Mount_100R-100R-1_C106232.html
R14: library part Resistor, "Chip Resistor - Surface Mount 1.8KOhms ±1% 1/16W 0402", Component package=0402, Manufacturer="Uniroyal Elec", Part number=0402WGF1801TCE, HelpURL=https://lcsc.com/product-detail/Chip-Resistor-Surface-Mount_Uniroyal-Elec-0402WGF1801TCE_C25871.html
R16 R17 R18 R19 R20: library part Resistor, "Chip Resistor - Surface Mount 100KOhms ±1% 1/16W 0402", Component package=0402, Manufacturer=YAGEO, Part number=RC0402FR-07100KL, HelpURL=https://lcsc.com/product-detail/Chip-Resistor-Surface-Mount_100KR-1003-1_C60491.html
R21: library part Resistor, "Chip Resistor - Surface Mount 470Ohms ±1% 1/16W 0402", Component package=0402, Manufacturer=YAGEO, Part number=RC0402FR-07470RL, HelpURL=https://lcsc.com/product-detail/Chip-Resistor-Surface-Mount_470R-470R-1_C114877.html
R23 R24: library part Resistor, "Chip Resistor - Surface Mount 22Ohms ±1% 1/16W 0402", Component package=0402, Manufacturer=YAGEO, Part number=RC0402FR-0722RL, HelpURL=https://lcsc.com/product-detail/Chip-Resistor-Surface-Mount_22R-22R0-1_C114765.html
R27 R28 R29 R30 R31 R32 R33 R34 R35 R36: library part Resistor, "Chip Resistor - Surface Mount 220Ohms ±1% 1/16W 040", Component package=0402, Manufacturer="Uniroyal Elec", Part number=0402WGF2200TCE, HelpURL=https://lcsc.com/product-detail/Chip-Resistor-Surface-Mount_Uniroyal-Elec-0402WGF2200TCE_C25091.html
U1 U3: "Linear Voltage Regulators SOT-23-5", Component package=SOT23-5, Manufacturer="Texas Instruments", HelpURL=https://lcsc.com/product-detail/Linear-Voltage-Regulators_TI_LP5907MFX-3-3-NOPB_LP5907MFX-3-3-NOPB_C80670.html, Part number=LP5907
U2: library part FM25V02A, "FRAM FRAM 256Kb (32K x 8) SPI SOIC-8_150mil", Component package=SOIC8, Manufacturer="Cypress Semicon", HelpURL=https://lcsc.com/product-detail/FRAM_CYPRESS_FM25V02A-GTR_FM25V02A-GTR_C66029.html, Part number=FM25V02A-GTR
U4: "ARM® Cortex®-M4 STM32F4 Microcontroller IC 32-Bit 180MHz 2MB (2M x 8) FLASH 100-LQFP (14x14)", Component package=LQFP100, Manufacturer=STMicroelectronics, HelpURL=https://lcsc.com/product-detail/ST-Microelectronics_STMicroelectronics_STM32F427VIT6_STM32F427VIT6_C57097.html, Part number=STM32F427VIT6
U5: Manufacturer=meas-spec, HelpURL=https://www.digikey.com/product-detail/en/te-connectivity-measurement-specialties/MS560702BA03-50/223-1198-1-ND/4700921, Part number=MS5607-02BA
U6: library part mpu9250, "IMU ACCEL/GYRO/MAG I2C/SPI 24QFN", Component package="QFN24 3x3", Manufacturer="TDK InvenSense", HelpURL=https://www.digikey.com/product-detail/en/tdk-invensense/MPU-9250/1428-1019-1-ND/4626450, Part number=MPU-9250
U7: "Microprocessor & Microcontroller Supervisors Microprocessor Supervisory Active Low 2.93V SOT-23(SOT-23-3)", Component package=SOT23-3, Manufacturer=SGMICRO, HelpURL=https://lcsc.com/product-detail/Microprocessor-Microcontroller-Supervisors_SGM809-SXN3L-TR_C49651.html, Part number=SGM809-SXN3L/TR
U8: library part SN74LVC2G86DCUR, "74 Series SPST-NC 2 1.65V ~ 5.5V VSSOP-8_2x2.3x05P", Component package=VSSOP8, Manufacturer="Texas Instruments", HelpURL=https://lcsc.com/product-detail/Analog-Switches_TI_SN74LVC2G66DCUR_SN74LVC2G66DCUR_C181970.html, Part number=SN74LVC2G66DCUR
U9: "Level Translators, Shifters VQFN-20", Component package=VQFN-20, Manufacturer="Texas Instruments", HelpURL=https://lcsc.com/product-detail/Logic-ICs_Texas-Instruments_TXS0108ERGYR_Texas-Instruments-TI-TXS0108ERGYR_C90706.html, Part number=TXS0108ERGYR
U10: library part "MicroSD socket", HelpURL=https://ru.aliexpress.com/item/32607835515.html?spm=a2g0s.9042311.0.0.274233edQMHmCa, Part number="Micro SD SLOT"
U11: library part "Micro USB", HelpURL=https://ru.aliexpress.com/item/32709649041.html?dp=41px0rlm9hm7n5rcwf3sdinlcukefhdi&af=359030&cv=34881257&cn=41px0rlm9hm7n5rcwf3sdinlcukefhdi&aff_platform=default&cpt=1567117499370&sk=mun2n2V&aff_trace_key=40d9b394e2234d3b89ccf2e4c0206f99-1567117499370-09338-mun2n2V&terminal_id=5556fe35b2074f8696b28d707cf8887d, Part number="Micro USB female connector"
U12 U14: library part "JST-GH 6", "Wire To Board / Wire To Wire Connector SMD", Manufacturer="JST Sales America", HelpURL=https://lcsc.com/product-detail/Wire-To-Board-Wire-To-Wire-Connector_JST-Sales-America_SM06B-GHS-TB-LF-SN_JST-Sales-America-SM06B-GHS-TB-LF-SN_C133065.html, Part number=SM06B-GHS-TB(LF)(SN)
U13 U15 U17 U18: library part "JST-GH 4", "Wire To Board / Wire To Wire Connector socket P=1.25mm", Component package="socket P=1.25mm", Manufacturer="JST Sales America", HelpURL=https://lcsc.com/product-detail/Wire-To-Board-Wire-To-Wire-Connector_JST-Sales-America_SM04B-GHS-TB-LF-SN_JST-Sales-America-SM04B-GHS-TB-LF-SN_C189895.html, Part number=SM04B-GHS-TB(LF)(SN)
U16: library part "3x6 dupont pins", Part number="2.54 pins array", HelpURL=https://ru.aliexpress.com/item/32702387665.html?spm=a2g0s.9042311.0.0.274233edguG5tO
X1: library part "Crystal oscillator", "SMD Crystal Resonators 24MHz ±10ppm SMD-2520_4P", Component package=SMD-2520_4P, Manufacturer="SHENZHEN CRYSTAL TECH", HelpURL=https://lcsc.com/product-detail/SMD-Crystal-Resonators_SHENZHEN-CRYSTAL-TECH-7E24000E12UCG_C252262.html, Part number=7E24000E12UCG

## Free pads (board coordinates)
  rrect15% 0.6x0.6 smd: 2(17.75,34) 2(18.55,34)
  round 4.4 hole 3.2: M3(2.25,2.25) M3(2.25,32.75) M3(32.75,2.25) M3(32.75,32.75)

## Via types
v1: diameter 0.45, hole 0.25, Top Layer to Bottom Layer, tented both sides, 228 vias
v2: diameter 0.45, hole 0.2, Top Layer to Bottom Layer, tented both sides, 38 vias
v3: diameter 0.6, hole 0.4, Top Layer to Bottom Layer, tented both sides, 8 vias
v4: diameter 0.7, hole 0.5, Top Layer to Bottom Layer, tented both sides, 4 vias
v5: diameter 0.45, hole 0.3, Top Layer to Bottom Layer, tented both sides, 2 vias
v6: diameter 0.5, hole 0.3, Top Layer to Bottom Layer, tented both sides, 1 vias
v7: diameter 0.6, hole 0.3, Top Layer to Bottom Layer, tented both sides, 1 vias

## Nets (pads, with @x,y where several pads share a name; then routed paths per layer and width w, separated by ;. In a path a pad name is that pad's centre, name@x,y a point inside that pad or via, vN(x,y) a via of type N, cw(c..) or ccw(c..) an arc to the next point about the centre after c; other vN are vias at no path point)
3.3v: C1.2 C2.1 C3.1 C8.2 C9.2 C10.2 C11.2 C12.2 C13.2 C30.2 C35.2 C36.2 C37.1 C38.1 C56.2 D1.2 L2.2 LED1.3 pad.2@17.75,34 R1.1 R2.2 R3.2 R11.1 R11.2 R16.1 R17.1 R18.1 R19.1 R20.1 U1.5 U2.3 U2.7 U2.8 U4.11 U4.19 U4.21 U4.28 U4.50 U4.75 U4.100 U7.3 U8.8 U9.2 U9.10 U9.19 U10.4 | length 156.4
  Top Layer w0.25: v1(15.1,34.1) R2.2@15.702,34.1 R3.2@16.5,34.1 pad.2@17.753,34.1 ; v1(20.6,11.45) U9.10@20.6,11.9 ; C37.1@26,12.8 v1(26,13.325) ; U4.50@26,15.8 26,15.3 26.425,14.875 C13.2@26.6,14.875 v1(27.199,14.875)
  Top Layer w0.3: v1(7.3,27) R11.2@7.3,27.475 ; R11.1@7.3,28.375 7.975,28.375 D1.2@8.3,28.7 ; v1(11.075,26.15) C10.2@11.075,25.5 11.075,25.025 11.45,24.65 U4.11@12.15,24.65 ; v1(11.1,21.7) C9.2@11.1,21.1 11.55,20.65 U4.19@12.15,20.65 ; U4.21@12.15,19.65 v5(13,19.65) ; v1(13.275,32.675) C11.2@14,32.675 U4.100@14,31.5 ; v1(15,14.1) C8.2@15,14.7 U4.28@15,15.8 ; U9.19@24.5,9.5 C38.1@26,9.5 v1(26.7,9.5) ; U9.2@24.5,12.8 C37.1@26,12.8 ; U4.75@27.85,29.65 C12.2@28.9,29.65 v1(29.5,29.65)
  Top Layer w0.4: U1.5@6.862,8.05 6.862,9.2 6.862,10.1 R1.1@6.862,11.2 ; R1.1@6.863,11.2 6.863,12.588 v4(6.875,12.6) ; L2.2@9.375,19.25 9.375,18.851 v1(9.725,18.501)
  Top Layer w0.5: v6(31.975,16.3) 33.7,16.3 34.25,16.85 LED1.3@34.25,17.308
  Inner Layer 2 w0.3: 23.6,28.425 23.559,28.425 v1(24.109,28.975)
  Inner Layer 2 w0.5: v4(6.875,12.6) 9.725,15.45 9.725,15.462 ; v1(7.3,27) 7.3,25.5 v1(7.6,25.2) v1(11.1,21.7) 12.15,20.65 ; 8.4,14.1 13.8,14.1 ; 9.475,15.212 9.725,15.462 ; v1(9.725,18.501) 9.725,15.462 ; v1(11.075,26.15) 12.15,25.075 ; 11.902,17.635 12.517,18.25 v5(13,18.25) ; v1(13.275,32.675) 14.1,31.85 ; v1(15,14.1) 13.8,14.1 ; v1(15.1,34.1) 14.1,33.1 14.1,31.85 ; v1(20.6,11.45) 20.6,13.819 18.814,15.605 ; v1(22.1,19.38) 19.08,19.38 15.305,15.605 ; 23.559,28.425 v1(14.95,28.425) 14.1,27.575 ; 23.6,28.425 28.175,28.425 ; v1(26.7,9.5) 26,10.2 v1(26,13.325) 26,14.2 25.325,14.875 ; 28.275,28.425 v1(29.5,29.65) ; v6(31.975,16.3) 30.55,14.875 v1(27.199,14.875) 25.325,14.875 ; 9.725,15.462 12.15,17.887 12.15,20.65 ; 12.15,20.65 12.15,25.075 ; 12.15,25.075 12.15,25.625 14.1,27.575 ; 13.8,14.1 15.305,15.605 ; 14.1,27.575 14.1,31.85 ; 15.305,15.605 18.814,15.605 ; 18.814,15.605 24.595,15.605 25.325,14.875
  Bottom Layer w0.2: v1(24.109,28.975) 24.659,28.425 R20.1@25.21,28.425 R19.1@26.31,28.425 R18.1@27.41,28.425
  Bottom Layer w0.25: v1(7.6,25.2) 7.975,24.825 C35.2@8.425,24.825 U8.8@9.325,24.825 ; v1(14.95,28.425) C30.2@15.585,28.425 U7.3@17.673,28.425 R17.1@19.71,28.425 R16.1@20.809,28.425
  Bottom Layer w0.3: v5(13,18.25) 13.006,18.256 C56.2@13.006,18.95 ; C56.2@13,18.845 v5(13,19.65) ; v1(22.1,19.38) C1.2@22.7,19.38 U2.7@23.95,19.38 ; U2.8@23.95,20.65 U2.7@23.95,19.38 ; v1(24.109,28.975) C36.2@24.109,29.5 U10.4@24.109,30.958 ; U2.3@29.3,18.11 27.09,18.11 25.8,19.4 23.97,19.4 U2.7@23.95,19.38
"3.3v analog": C14.1 L2.1 U4.22 | length 1.9
  Top Layer w0.3: L2.1@10.275,19.25 C14.1@11.05,19.25 11.5,19.25 11.6,19.15 U4.22@12.15,19.15